# KiCad board modulo_sensor-panel.kicad_pcb (continued)
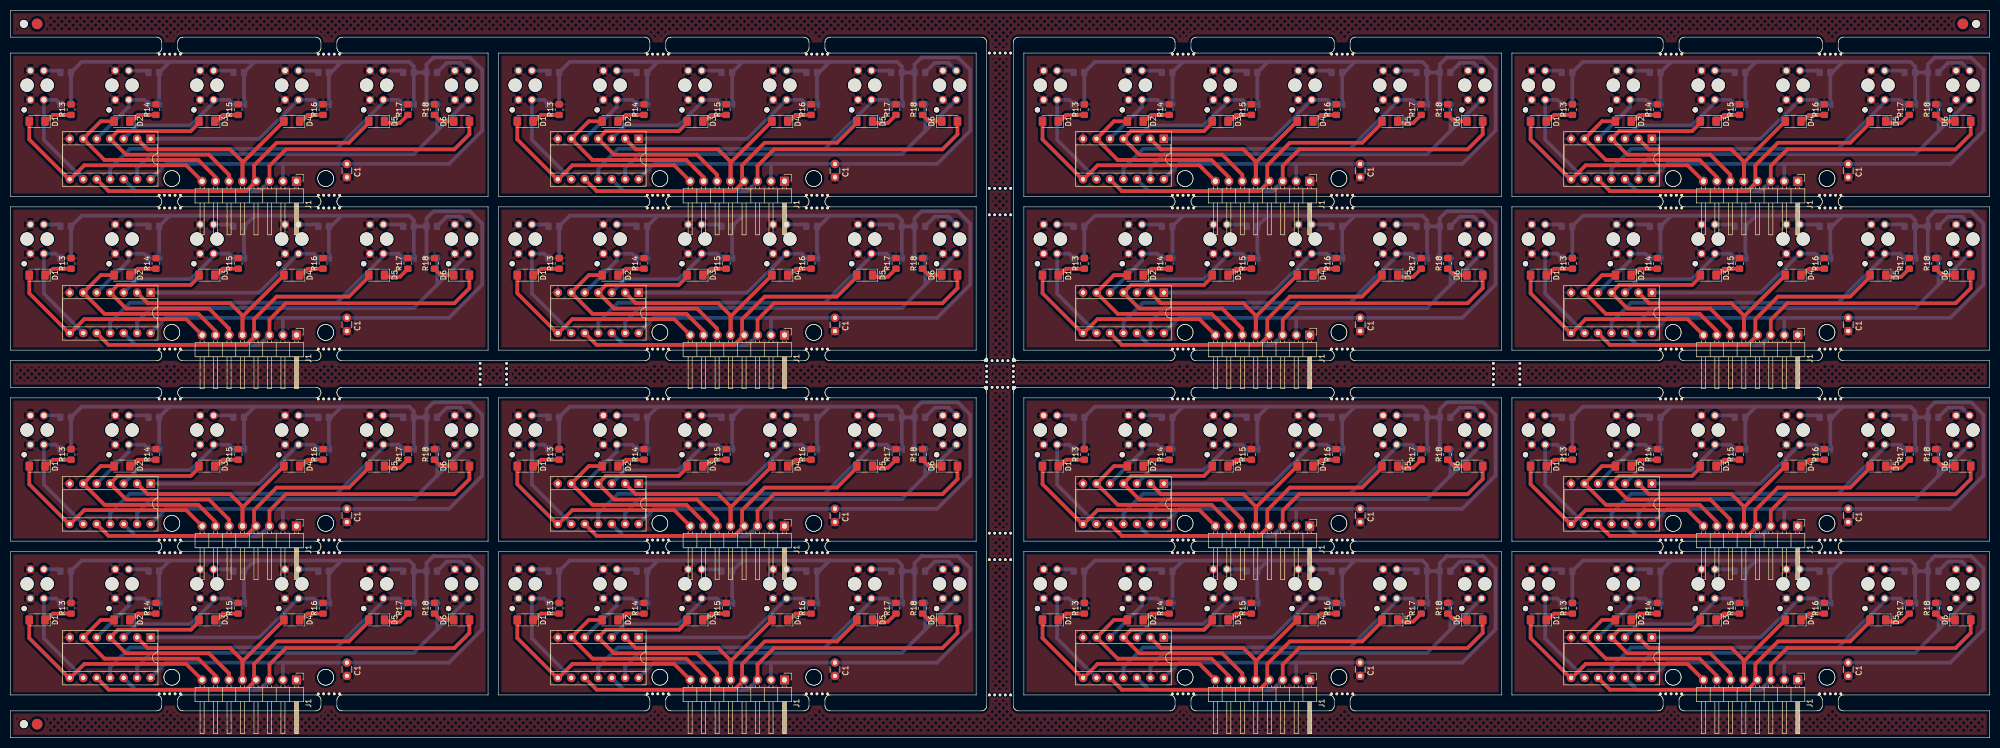
[diagram p0: board, top side]
## Placement (name value [footprint] x y rotation side) (continued)
Sensor1#6  TCRT5000  [OPTO_TCRT5000]  5 122.94 90 bottom
Sensor1#7  TCRT5000  [OPTO_TCRT5000]  5 93.94 90 bottom
Sensor1#8  TCRT5000  [OPTO_TCRT5000]  97 93.94 90 bottom
Sensor1#9  TCRT5000  [OPTO_TCRT5000]  196 122.94 90 bottom
Sensor1#10  TCRT5000  [OPTO_TCRT5000]  288 57.94 90 bottom
Sensor1#11  TCRT5000  [OPTO_TCRT5000]  288 122.94 90 bottom
Sensor1#12  TCRT5000  [OPTO_TCRT5000]  97 122.94 90 bottom
Sensor1#13  TCRT5000  [OPTO_TCRT5000]  288 28.94 90 bottom
Sensor1#14  TCRT5000  [OPTO_TCRT5000]  97 28.94 90 bottom
Sensor1#15  TCRT5000  [OPTO_TCRT5000]  5 57.94 90 bottom
Sensor1#16  TCRT5000  [OPTO_TCRT5000]  196 93.94 90 bottom
Sensor2  TCRT5000  [OPTO_TCRT5000]  113 57.94 90 bottom
Sensor2#2  TCRT5000  [OPTO_TCRT5000]  304 93.94 90 bottom
Sensor2#3  TCRT5000  [OPTO_TCRT5000]  212 28.94 90 bottom
Sensor2#4  TCRT5000  [OPTO_TCRT5000]  21 28.94 90 bottom
Sensor2#5  TCRT5000  [OPTO_TCRT5000]  113 28.94 90 bottom
Sensor2#6  TCRT5000  [OPTO_TCRT5000]  113 122.94 90 bottom
Sensor2#7  TCRT5000  [OPTO_TCRT5000]  304 28.94 90 bottom
Sensor2#8  TCRT5000  [OPTO_TCRT5000]  212 57.94 90 bottom
Sensor2#9  TCRT5000  [OPTO_TCRT5000]  21 57.94 90 bottom
Sensor2#10  TCRT5000  [OPTO_TCRT5000]  304 57.94 90 bottom
Sensor2#11  TCRT5000  [OPTO_TCRT5000]  212 122.94 90 bottom
Sensor2#12  TCRT5000  [OPTO_TCRT5000]  212 93.94 90 bottom
Sensor2#13  TCRT5000  [OPTO_TCRT5000]  304 122.94 90 bottom
Sensor2#14  TCRT5000  [OPTO_TCRT5000]  21 122.94 90 bottom
Sensor2#15  TCRT5000  [OPTO_TCRT5000]  21 93.94 90 bottom
Sensor2#16  TCRT5000  [OPTO_TCRT5000]  113 93.94 90 bottom
Sensor3  TCRT5000  [OPTO_TCRT5000]  228 57.94 90 bottom
Sensor3#2  TCRT5000  [OPTO_TCRT5000]  129 57.94 90 bottom
Sensor3#3  TCRT5000  [OPTO_TCRT5000]  320 57.94 90 bottom
Sensor3#4  TCRT5000  [OPTO_TCRT5000]  129 28.94 90 bottom
Sensor3#5  TCRT5000  [OPTO_TCRT5000]  129 93.94 90 bottom
Sensor3#6  TCRT5000  [OPTO_TCRT5000]  228 28.94 90 bottom
Sensor3#7  TCRT5000  [OPTO_TCRT5000]  320 93.94 90 bottom
Sensor3#8  TCRT5000  [OPTO_TCRT5000]  320 28.94 90 bottom
Sensor3#9  TCRT5000  [OPTO_TCRT5000]  37 57.94 90 bottom
Sensor3#10  TCRT5000  [OPTO_TCRT5000]  228 93.94 90 bottom
Sensor3#11  TCRT5000  [OPTO_TCRT5000]  320 122.94 90 bottom
Sensor3#12  TCRT5000  [OPTO_TCRT5000]  37 93.94 90 bottom
Sensor3#13  TCRT5000  [OPTO_TCRT5000]  228 122.94 90 bottom
Sensor3#14  TCRT5000  [OPTO_TCRT5000]  129 122.94 90 bottom
Sensor3#15  TCRT5000  [OPTO_TCRT5000]  37 28.94 90 bottom
Sensor3#16  TCRT5000  [OPTO_TCRT5000]  37 122.94 90 bottom
Sensor4  TCRT5000  [OPTO_TCRT5000]  336 28.94 90 bottom
Sensor4#2  TCRT5000  [OPTO_TCRT5000]  145 122.94 90 bottom
Sensor4#3  TCRT5000  [OPTO_TCRT5000]  53 122.94 90 bottom
Sensor4#4  TCRT5000  [OPTO_TCRT5000]  53 93.94 90 bottom
Sensor4#5  TCRT5000  [OPTO_TCRT5000]  244 28.94 90 bottom
Sensor4#6  TCRT5000  [OPTO_TCRT5000]  244 57.94 90 bottom
Sensor4#7  TCRT5000  [OPTO_TCRT5000]  336 93.94 90 bottom
Sensor4#8  TCRT5000  [OPTO_TCRT5000]  244 122.94 90 bottom
Sensor4#9  TCRT5000  [OPTO_TCRT5000]  336 57.94 90 bottom
Sensor4#10  TCRT5000  [OPTO_TCRT5000]  53 57.94 90 bottom
Sensor4#11  TCRT5000  [OPTO_TCRT5000]  145 28.94 90 bottom
Sensor4#12  TCRT5000  [OPTO_TCRT5000]  145 57.94 90 bottom
Sensor4#13  TCRT5000  [OPTO_TCRT5000]  53 28.94 90 bottom
Sensor4#14  TCRT5000  [OPTO_TCRT5000]  336 122.94 90 bottom
Sensor4#15  TCRT5000  [OPTO_TCRT5000]  145 93.94 90 bottom
Sensor4#16  TCRT5000  [OPTO_TCRT5000]  244 93.94 90 bottom
Sensor5  TCRT5000  [OPTO_TCRT5000]  161 57.94 90 bottom
Sensor5#2  TCRT5000  [OPTO_TCRT5000]  161 122.94 90 bottom
Sensor5#3  TCRT5000  [OPTO_TCRT5000]  352 93.94 90 bottom
Sensor5#4  TCRT5000  [OPTO_TCRT5000]  260 28.94 90 bottom
Sensor5#5  TCRT5000  [OPTO_TCRT5000]  260 57.94 90 bottom
Sensor5#6  TCRT5000  [OPTO_TCRT5000]  161 93.94 90 bottom
Sensor5#7  TCRT5000  [OPTO_TCRT5000]  69 93.94 90 bottom
Sensor5#8  TCRT5000  [OPTO_TCRT5000]  69 28.94 90 bottom
Sensor5#9  TCRT5000  [OPTO_TCRT5000]  161 28.94 90 bottom
Sensor5#10  TCRT5000  [OPTO_TCRT5000]  352 122.94 90 bottom
Sensor5#11  TCRT5000  [OPTO_TCRT5000]  69 122.94 90 bottom
Sensor5#12  TCRT5000  [OPTO_TCRT5000]  69 57.94 90 bottom
Sensor5#13  TCRT5000  [OPTO_TCRT5000]  260 93.94 90 bottom
Sensor5#14  TCRT5000  [OPTO_TCRT5000]  352 57.94 90 bottom
Sensor5#15  TCRT5000  [OPTO_TCRT5000]  352 28.94 90 bottom
Sensor5#16  TCRT5000  [OPTO_TCRT5000]  260 122.94 90 bottom
Sensor6  TCRT5000  [OPTO_TCRT5000]  177 57.94 90 bottom
Sensor6#2  TCRT5000  [OPTO_TCRT5000]  177 28.94 90 bottom
Sensor6#3  TCRT5000  [OPTO_TCRT5000]  276 57.94 90 bottom
Sensor6#4  TCRT5000  [OPTO_TCRT5000]  85 28.94 90 bottom
Sensor6#5  TCRT5000  [OPTO_TCRT5000]  177 93.94 90 bottom
Sensor6#6  TCRT5000  [OPTO_TCRT5000]  177 122.94 90 bottom
Sensor6#7  TCRT5000  [OPTO_TCRT5000]  368 57.94 90 bottom
Sensor6#8  TCRT5000  [OPTO_TCRT5000]  85 57.94 90 bottom
Sensor6#9  TCRT5000  [OPTO_TCRT5000]  368 28.94 90 bottom
Sensor6#10  TCRT5000  [OPTO_TCRT5000]  276 93.94 90 bottom
Sensor6#11  TCRT5000  [OPTO_TCRT5000]  368 93.94 90 bottom
Sensor6#12  TCRT5000  [OPTO_TCRT5000]  368 122.94 90 bottom
Sensor6#13  TCRT5000  [OPTO_TCRT5000]  85 122.94 90 bottom
Sensor6#14  TCRT5000  [OPTO_TCRT5000]  276 28.94 90 bottom
Sensor6#15  TCRT5000  [OPTO_TCRT5000]  85 93.94 90 bottom
Sensor6#16  TCRT5000  [OPTO_TCRT5000]  276 122.94 90 bottom
U1  74HC14DR2G  [DIP-14_W7.62mm_Socket]  217.39 83.84 270 top
U1#2  74HC14DR2G  [DIP-14_W7.62mm_Socket]  118.39 47.84 270 top
U1#3  74HC14DR2G  [DIP-14_W7.62mm_Socket]  309.39 18.84 270 top
U1#4  74HC14DR2G  [DIP-14_W7.62mm_Socket]  118.39 18.84 270 top
U1#5  74HC14DR2G  [DIP-14_W7.62mm_Socket]  118.39 83.84 270 top
U1#6  74HC14DR2G  [DIP-14_W7.62mm_Socket]  309.39 112.84 270 top
U1#7  74HC14DR2G  [DIP-14_W7.62mm_Socket]  217.39 18.84 270 top
U1#8  74HC14DR2G  [DIP-14_W7.62mm_Socket]  26.39 47.84 270 top
U1#9  74HC14DR2G  [DIP-14_W7.62mm_Socket]  217.39 47.84 270 top
U1#10  74HC14DR2G  [DIP-14_W7.62mm_Socket]  26.39 112.84 270 top
U1#11  74HC14DR2G  [DIP-14_W7.62mm_Socket]  217.39 112.84 270 top
U1#12  74HC14DR2G  [DIP-14_W7.62mm_Socket]  309.39 83.84 270 top
U1#13  74HC14DR2G  [DIP-14_W7.62mm_Socket]  26.39 18.84 270 top
U1#14  74HC14DR2G  [DIP-14_W7.62mm_Socket]  26.39 83.84 270 top
U1#15  74HC14DR2G  [DIP-14_W7.62mm_Socket]  309.39 47.84 270 top
U1#16  74HC14DR2G  [DIP-14_W7.62mm_Socket]  118.39 112.84 270 top

## Library data of the parts
C1 C1#2-C1#16 = -: Description: Unpolarized capacitor; desc: Unpolarized capacitor; part: C
D1 D1#2-D1#16 D2 D2#2-D2#16 D3 D3#2-D3#16 D4 D4#2-D4#16 D5 D5#2-D5#16 D6 D6#2-D6#16 = -: Description: Light emitting diode; desc: Light emitting diode
J1 J1#2-J1#16 = -: Description: Generic connector, single row, 01x08, script generated; desc: Generic connector, single row, 01x08, script generated
R1 R1#2-R1#16 R2 R2#2-R2#16 R3 R3#2-R3#16 R4 R4#2-R4#16 R5 R5#2-R5#16 R6 R6#2-R6#16 R7 R7#2-R7#16 R8 R8#2-R8#16 R9 R9#2-R9#16 R10 R10#2-R10#16 R11 R11#2-R11#16 R12 R12#2-R12#16 R13 R13#2-R13#16 R14 R14#2-R14#16 R15 R15#2-R15#16 R16 R16#2-R16#16 R17 R17#2-R17#16 R18 R18#2-R18#16 = -: Description: Resistor; desc: Resistor; part: R
Sensor1 Sensor1#2-Sensor1#16 Sensor2 Sensor2#2-Sensor2#16 Sensor3 Sensor3#2-Sensor3#16 Sensor4 Sensor4#2-Sensor4#16 Sensor5 Sensor5#2-Sensor5#16 Sensor6 Sensor6#2-Sensor6#16 = -: MF: Vishay; MAXIMUM_PACKAGE_HEIGHT: 7.2mm; Package: TCRT5000 Vishay; Price: None; Check_prices: https://www.snapeda.com/parts/TCRT5000/Vishay+Semiconductor+Opto+Division/view-part/?ref=eda; STANDARD: Manufacturer recommendations; PARTREV: 1.7; SnapEDA_Link: https://www.snapeda.com/parts/TCRT5000/Vishay+Semiconductor+Opto+Division/view-part/?ref=snap; Purchase-URL: https://www.snapeda.com/api/url_track_click_mouser/?unipart_id=885229&manufacturer=Vishay&part_name=TCRT5000&search_term=tcrt5000; Description_1: Sensor óptico reflectante de 0,591 (15 mm) para montaje en PCB; Availability: In Stock; MANUFACTURER: Vishay; manf: Vishay
U1 U1#2-U1#16 = -: MF: ON Semiconductor; Description_1: Inverter IC 6 Channel Schmitt Trigger 14-SOIC; PACKAGE: SOIC-14; Price: None; Package: SOIC-14 ON Semiconductor; OC_FARNELL: 1201316; SnapEDA_Link: https://www.snapeda.com/parts/74HC14DR2G/Onsemi/view-part/?ref=snap; SUPPLIER: NXP; OC_NEWARK: 26M7759; Availability: In Stock; Check_prices: https://www.snapeda.com/parts/74HC14DR2G/Onsemi/view-part/?ref=eda

## Footprints (pads in the part's own frame, mm; a bottom-side part is the same pattern mirrored in y, then rotated)
C_Disc_D3.0mm_W1.6mm_P2.50mm
  round 1.6 hole 0.8: 1(0,0) 2(2.5,0)
DIP-14_W7.62mm_Socket
  rect 1.6x1.6 hole 0.8: 1(0,0)
  oval 1.6x1.6 hole 0.8: 2(0,-2.54) 3(0,-5.08) 4(0,-7.62) 5(0,-10.16) 6(0,-12.7) 7(0,-15.24) 8(7.62,-15.24) 9(7.62,-12.7) 10(7.62,-10.16) 11(7.62,-7.62) 12(7.62,-5.08) 13(7.62,-2.54) 14(7.62,0)
Fiducial
  round 2 smd: (0,0)
LED_1206_3216Metric_Pad1.42x1.75mm_HandSolder
  rrect 1.425x1.75 smd: 1(-1.488,0) 2(1.488,0)
NPTH
  round 0.5 hole 0.5 unplated: (0,0)
NPTH#2
  round 1.5 hole 1.5 unplated: (0,0)
OPTO_TCRT5000
  round 1 hole 1 unplated: (-4.65,-2.45)
  round 2.5 hole 2.5 unplated: (0,-1.9) (0,1.9)
  round 1.5 hole 1: A(2.75,1.27) CATH(2.75,-1.27) COLL(-2.75,1.27) E(-2.75,-1.27)
PinHeader_1x08_P2.54mm_Horizontal
  rect 1.7x1.7 hole 1: 1(0,0)
  oval 1.7x1.7 hole 1: 2(0,-2.54) 3(0,-5.08) 4(0,-7.62) 5(0,-10.16) 6(0,-12.7) 7(0,-15.24) 8(0,-17.78)
R_0805_2012Metric_Pad1.20x1.40mm_HandSolder
  rrect 1.2x1.4 smd: 1(-1,0) 2(1,0)

## Nets
Board_0-/Led_Sensor1: D1#2.2 J1#12.8 U1#10.8
Board_0-/Led_Sensor2: D2#12.2 J1#12.7 U1#10.6
Board_0-/Led_Sensor3: D3#3.2 J1#12.6 U1#10.4
Board_0-/Led_Sensor4: D4#5.2 J1#12.5 U1#10.2
Board_0-/Led_Sensor5: D5#9.2 J1#12.4 U1#10.10
Board_0-/Led_Sensor6: D6#3.2 J1#12.3 U1#10.12
Board_0-/Sensor1: R2#16.1 Sensor1#6.COLL U1#10.9
Board_0-/Sensor2: R4#3.1 Sensor2#14.COLL U1#10.5
Board_0-/Sensor3: R6#12.1 Sensor3#16.COLL U1#10.3
Board_0-/Sensor4: R8#8.1 Sensor4#3.COLL U1#10.1
Board_0-/Sensor5: R10#12.1 Sensor5#11.COLL U1#10.11
Board_0-/Sensor6: R12#2.1 Sensor6#13.COLL U1#10.13
Board_0-GND: C1#4.2 J1#12.1 R13#16.2 R14#15.2 R15#8.2 R16#13.2 R17#14.2 R18#14.2 Sensor1#6.CATH Sensor1#6.E Sensor2#14.CATH Sensor2#14.E Sensor3#16.CATH Sensor3#16.E Sensor4#3.CATH Sensor4#3.E Sensor5#11.CATH Sensor5#11.E Sensor6#13.CATH Sensor6#13.E U1#10.7
Board_0-Net-(D1-K): D1#2.1 R13#16.1
Board_0-Net-(D2-K): D2#12.1 R14#15.1
Board_0-Net-(D3-K): D3#3.1 R15#8.1
Board_0-Net-(D4-K): D4#5.1 R16#13.1
Board_0-Net-(D5-K): D5#9.1 R17#14.1
Board_0-Net-(D6-K): D6#3.1 R18#14.1
Board_0-Net-(R1-Pad1): R1#11.1 Sensor1#6.A
Board_0-Net-(R3-Pad1): R3.1 Sensor2#14.A
Board_0-Net-(R5-Pad1): R5#9.1 Sensor3#16.A
Board_0-Net-(R7-Pad1): R7.1 Sensor4#3.A
Board_0-Net-(R9-Pad1): R9#11.1 Sensor5#11.A
Board_0-Net-(R11-Pad1): R11#7.1 Sensor6#13.A
Board_0-vcc: C1#4.1 J1#12.2 R1#11.2 R2#16.2 R3.2 R4#3.2 R5#9.2 R6#12.2 R7.2 R8#8.2 R9#11.2 R10#12.2 R11#7.2 R12#2.2 U1#10.14
Board_1-/Led_Sensor1: D1#9.2 J1#6.8 U1#16.8
Board_1-/Led_Sensor2: D2#15.2 J1#6.7 U1#16.6
Board_1-/Led_Sensor3: D3#16.2 J1#6.6 U1#16.4
Board_1-/Led_Sensor4: D4#6.2 J1#6.5 U1#16.2
Board_1-/Led_Sensor5: D5#8.2 J1#6.4 U1#16.10
Board_1-/Led_Sensor6: D6#6.2 J1#6.3 U1#16.12
Board_1-/Sensor1: R2#3.1 Sensor1#12.COLL U1#16.9
Board_1-/Sensor2: R4#9.1 Sensor2#6.COLL U1#16.5
Board_1-/Sensor3: R6#9.1 Sensor3#14.COLL U1#16.3
Board_1-/Sensor4: R8#4.1 Sensor4#2.COLL U1#16.1
Board_1-/Sensor5: R10#8.1 Sensor5#2.COLL U1#16.11
Board_1-/Sensor6: R12#7.1 Sensor6#6.COLL U1#16.13
Board_1-GND: C1#2.2 J1#6.1 R13#9.2 R14#11.2 R15#13.2 R16#9.2 R17#8.2 R18#2.2 Sensor1#12.CATH Sensor1#12.E Sensor2#6.CATH Sensor2#6.E Sensor3#14.CATH Sensor3#14.E Sensor4#2.CATH Sensor4#2.E Sensor5#2.CATH Sensor5#2.E Sensor6#6.CATH Sensor6#6.E U1#16.7
Board_1-Net-(D1-K): D1#9.1 R13#9.1
Board_1-Net-(D2-K): D2#15.1 R14#11.1
Board_1-Net-(D3-K): D3#16.1 R15#13.1
Board_1-Net-(D4-K): D4#6.1 R16#9.1
Board_1-Net-(D5-K): D5#8.1 R17#8.1
Board_1-Net-(D6-K): D6#6.1 R18#2.1
Board_1-Net-(R1-Pad1): R1#5.1 Sensor1#12.A
Board_1-Net-(R3-Pad1): R3#12.1 Sensor2#6.A
Board_1-Net-(R5-Pad1): R5#13.1 Sensor3#14.A
Board_1-Net-(R7-Pad1): R7#11.1 Sensor4#2.A
Board_1-Net-(R9-Pad1): R9#10.1 Sensor5#2.A
Board_1-Net-(R11-Pad1): R11#12.1 Sensor6#6.A
Board_1-vcc: C1#2.1 J1#6.2 R1#5.2 R2#3.2 R3#12.2 R4#9.2 R5#13.2 R6#9.2 R7#11.2 R8#4.2 R9#10.2 R10#8.2 R11#12.2 R12#7.2 U1#16.14
Board_2-/Led_Sensor1: D1#8.2 J1#15.8 U1#11.8
Board_2-/Led_Sensor2: D2#5.2 J1#15.7 U1#11.6
Board_2-/Led_Sensor3: D3#13.2 J1#15.6 U1#11.4
Board_2-/Led_Sensor4: D4#15.2 J1#15.5 U1#11.2
Board_2-/Led_Sensor5: D5#3.2 J1#15.4 U1#11.10
Board_2-/Led_Sensor6: D6#12.2 J1#15.3 U1#11.12
Board_2-/Sensor1: R2.1 Sensor1#9.COLL U1#11.9
Board_2-/Sensor2: R4#10.1 Sensor2#11.COLL U1#11.5
Board_2-/Sensor3: R6#10.1 Sensor3#13.COLL U1#11.3
Board_2-/Sensor4: R8#16.1 Sensor4#8.COLL U1#11.1
Board_2-/Sensor5: R10#7.1 Sensor5#16.COLL U1#11.11
Board_2-/Sensor6: R12#10.1 Sensor6#16.COLL U1#11.13
Board_2-GND: C1#8.2 J1#15.1 R13#3.2 R14#5.2 R15.2 R16.2 R17#3.2 R18#6.2 Sensor1#9.CATH Sensor1#9.E Sensor2#11.CATH Sensor2#11.E Sensor3#13.CATH Sensor3#13.E Sensor4#8.CATH Sensor4#8.E Sensor5#16.CATH Sensor5#16.E Sensor6#16.CATH Sensor6#16.E U1#11.7
Board_2-Net-(D1-K): D1#8.1 R13#3.1
Board_2-Net-(D2-K): D2#5.1 R14#5.1
Board_2-Net-(D3-K): D3#13.1 R15.1
Board_2-Net-(D4-K): D4#15.1 R16.1
Board_2-Net-(D5-K): D5#3.1 R17#3.1
Board_2-Net-(D6-K): D6#12.1 R18#6.1
Board_2-Net-(R1-Pad1): R1#2.1 Sensor1#9.A
Board_2-Net-(R3-Pad1): R3#4.1 Sensor2#11.A
Board_2-Net-(R5-Pad1): R5#11.1 Sensor3#13.A
Board_2-Net-(R7-Pad1): R7#12.1 Sensor4#8.A
Board_2-Net-(R9-Pad1): R9#8.1 Sensor5#16.A
Board_2-Net-(R11-Pad1): R11#10.1 Sensor6#16.A
Board_2-vcc: C1#8.1 J1#15.2 R1#2.2 R2.2 R3#4.2 R4#10.2 R5#11.2 R6#10.2 R7#12.2 R8#16.2 R9#8.2 R10#7.2 R11#10.2 R12#10.2 U1#11.14
Board_3-/Led_Sensor1: D1#16.2 J1#14.8 U1#6.8
Board_3-/Led_Sensor2: D2#11.2 J1#14.7 U1#6.6
Board_3-/Led_Sensor3: D3#6.2 J1#14.6 U1#6.4
Board_3-/Led_Sensor4: D4.2 J1#14.5 U1#6.2
Board_3-/Led_Sensor5: D5#7.2 J1#14.4 U1#6.10
Board_3-/Led_Sensor6: D6#8.2 J1#14.3 U1#6.12
Board_3-/Sensor1: R2#14.1 Sensor1#11.COLL U1#6.9
Board_3-/Sensor2: R4.1 Sensor2#13.COLL U1#6.5
Board_3-/Sensor3: R6.1 Sensor3#11.COLL U1#6.3
Board_3-/Sensor4: R8#10.1 Sensor4#14.COLL U1#6.1
Board_3-/Sensor5: R10#14.1 Sensor5#10.COLL U1#6.11
Board_3-/Sensor6: R12#16.1 Sensor6#12.COLL U1#6.13
Board_3-GND: C1#12.2 J1#14.1 R13#2.2 R14#2.2 R15#14.2 R16#3.2 R17#13.2 R18#12.2 Sensor1#11.CATH Sensor1#11.E Sensor2#13.CATH Sensor2#13.E Sensor3#11.CATH Sensor3#11.E Sensor4#14.CATH Sensor4#14.E Sensor5#10.CATH Sensor5#10.E Sensor6#12.CATH Sensor6#12.E U1#6.7
Board_3-Net-(D1-K): D1#16.1 R13#2.1
Board_3-Net-(D2-K): D2#11.1 R14#2.1
Board_3-Net-(D3-K): D3#6.1 R15#14.1
Board_3-Net-(D4-K): D4.1 R16#3.1
Board_3-Net-(D5-K): D5#7.1 R17#13.1
Board_3-Net-(D6-K): D6#8.1 R18#12.1
Board_3-Net-(R1-Pad1): R1#7.1 Sensor1#11.A
Board_3-Net-(R3-Pad1): R3#16.1 Sensor2#13.A
Board_3-Net-(R5-Pad1): R5#10.1 Sensor3#11.A
Board_3-Net-(R7-Pad1): R7#8.1 Sensor4#14.A
Board_3-Net-(R9-Pad1): R9#13.1 Sensor5#10.A
Board_3-Net-(R11-Pad1): R11#11.1 Sensor6#12.A
Board_3-vcc: C1#12.1 J1#14.2 R1#7.2 R2#14.2 R3#16.2 R4.2 R5#10.2 R6.2 R7#8.2 R8#10.2 R9#13.2 R10#14.2 R11#11.2 R12#16.2 U1#6.14
Board_4-/Led_Sensor1: D1#14.2 J1#2.8 U1#14.8
Board_4-/Led_Sensor2: D2#10.2 J1#2.7 U1#14.6
Board_4-/Led_Sensor3: D3#5.2 J1#2.6 U1#14.4
Board_4-/Led_Sensor4: D4#14.2 J1#2.5 U1#14.2
Board_4-/Led_Sensor5: D5#12.2 J1#2.4 U1#14.10
Board_4-/Led_Sensor6: D6#5.2 J1#2.3 U1#14.12
Board_4-/Sensor1: R2#15.1 Sensor1#7.COLL U1#14.9
Board_4-/Sensor2: R4#8.1 Sensor2#15.COLL U1#14.5
Board_4-/Sensor3: R6#5.1 Sensor3#12.COLL U1#14.3
Board_4-/Sensor4: R8#13.1 Sensor4#4.COLL U1#14.1
Board_4-/Sensor5: R10#6.1 Sensor5#7.COLL U1#14.11
Board_4-/Sensor6: R12#14.1 Sensor6#15.COLL U1#14.13
Board_4-GND: C1#13.2 J1#2.1 R13#8.2 R14#13.2 R15#10.2 R16#6.2 R17#5.2 R18#13.2 Sensor1#7.CATH Sensor1#7.E Sensor2#15.CATH Sensor2#15.E Sensor3#12.CATH Sensor3#12.E Sensor4#4.CATH Sensor4#4.E Sensor5#7.CATH Sensor5#7.E Sensor6#15.CATH Sensor6#15.E U1#14.7
Board_4-Net-(D1-K): D1#14.1 R13#8.1
Board_4-Net-(D2-K): D2#10.1 R14#13.1
Board_4-Net-(D3-K): D3#5.1 R15#10.1
Board_4-Net-(D4-K): D4#14.1 R16#6.1
Board_4-Net-(D5-K): D5#12.1 R17#5.1
Board_4-Net-(D6-K): D6#5.1 R18#13.1
Board_4-Net-(R1-Pad1): R1#9.1 Sensor1#7.A
Board_4-Net-(R3-Pad1): R3#7.1 Sensor2#15.A
Board_4-Net-(R5-Pad1): R5#2.1 Sensor3#12.A
Board_4-Net-(R7-Pad1): R7#3.1 Sensor4#4.A
Board_4-Net-(R9-Pad1): R9#12.1 Sensor5#7.A
Board_4-Net-(R11-Pad1): R11#8.1 Sensor6#15.A
Board_4-vcc: C1#13.1 J1#2.2 R1#9.2 R2#15.2 R3#7.2 R4#8.2 R5#2.2 R6#5.2 R7#3.2 R8#13.2 R9#12.2 R10#6.2 R11#8.2 R12#14.2 U1#14.14
Board_5-/Led_Sensor1: D1#3.2 J1#10.8 U1#5.8
Board_5-/Led_Sensor2: D2#3.2 J1#10.7 U1#5.6
Board_5-/Led_Sensor3: D3#11.2 J1#10.6 U1#5.4
Board_5-/Led_Sensor4: D4#7.2 J1#10.5 U1#5.2
Board_5-/Led_Sensor5: D5#15.2 J1#10.4 U1#5.10
Board_5-/Led_Sensor6: D6.2 J1#10.3 U1#5.12
Board_5-/Sensor1: R2#9.1 Sensor1#8.COLL U1#5.9
Board_5-/Sensor2: R4#7.1 Sensor2#16.COLL U1#5.5
Board_5-/Sensor3: R6#2.1 Sensor3#5.COLL U1#5.3
Board_5-/Sensor4: R8#14.1 Sensor4#15.COLL U1#5.1
Board_5-/Sensor5: R10#11.1 Sensor5#6.COLL U1#5.11
Board_5-/Sensor6: R12#9.1 Sensor6#5.COLL U1#5.13
Board_5-GND: C1#11.2 J1#10.1 R13#5.2 R14#12.2 R15#7.2 R16#5.2 R17#2.2 R18#3.2 Sensor1#8.CATH Sensor1#8.E Sensor2#16.CATH Sensor2#16.E Sensor3#5.CATH Sensor3#5.E Sensor4#15.CATH Sensor4#15.E Sensor5#6.CATH Sensor5#6.E Sensor6#5.CATH Sensor6#5.E U1#5.7
Board_5-Net-(D1-K): D1#3.1 R13#5.1
Board_5-Net-(D2-K): D2#3.1 R14#12.1
Board_5-Net-(D3-K): D3#11.1 R15#7.1
Board_5-Net-(D4-K): D4#7.1 R16#5.1
Board_5-Net-(D5-K): D5#15.1 R17#2.1
Board_5-Net-(D6-K): D6.1 R18#3.1
Board_5-Net-(R1-Pad1): R1#14.1 Sensor1#8.A
Board_5-Net-(R3-Pad1): R3#5.1 Sensor2#16.A
Board_5-Net-(R5-Pad1): R5#7.1 Sensor3#5.A
Board_5-Net-(R7-Pad1): R7#2.1 Sensor4#15.A
Board_5-Net-(R9-Pad1): R9#9.1 Sensor5#6.A
Board_5-Net-(R11-Pad1): R11#9.1 Sensor6#5.A
Board_5-vcc: C1#11.1 J1#10.2 R1#14.2 R2#9.2 R3#5.2 R4#7.2 R5#7.2 R6#2.2 R7#2.2 R8#14.2 R9#9.2 R10#11.2 R11#9.2 R12#9.2 U1#5.14
Board_6-/Led_Sensor1: D1#10.2 J1#5.8 U1.8
Board_6-/Led_Sensor2: D2#2.2 J1#5.7 U1.6
Board_6-/Led_Sensor3: D3#7.2 J1#5.6 U1.4
Board_6-/Led_Sensor4: D4#3.2 J1#5.5 U1.2
Board_6-/Led_Sensor5: D5#10.2 J1#5.4 U1.10
Board_6-/Led_Sensor6: D6#2.2 J1#5.3 U1.12
Board_6-/Sensor1: R2#13.1 Sensor1#16.COLL U1.9
Board_6-/Sensor2: R4#14.1 Sensor2#12.COLL U1.5
Board_6-/Sensor3: R6#6.1 Sensor3#10.COLL U1.3
Board_6-/Sensor4: R8#6.1 Sensor4#16.COLL U1.1
Board_6-/Sensor5: R10#13.1 Sensor5#13.COLL U1.11
Board_6-/Sensor6: R12#6.1 Sensor6#10.COLL U1.13
Board_6-GND: C1#9.2 J1#5.1 R13#12.2 R14#4.2 R15#4.2 R16#12.2 R17#4.2 R18#4.2 Sensor1#16.CATH Sensor1#16.E Sensor2#12.CATH Sensor2#12.E Sensor3#10.CATH Sensor3#10.E Sensor4#16.CATH Sensor4#16.E Sensor5#13.CATH Sensor5#13.E Sensor6#10.CATH Sensor6#10.E U1.7
Board_6-Net-(D1-K): D1#10.1 R13#12.1
Board_6-Net-(D2-K): D2#2.1 R14#4.1
Board_6-Net-(D3-K): D3#7.1 R15#4.1
Board_6-Net-(D4-K): D4#3.1 R16#12.1
Board_6-Net-(D5-K): D5#10.1 R17#4.1
Board_6-Net-(D6-K): D6#2.1 R18#4.1
Board_6-Net-(R1-Pad1): R1#13.1 Sensor1#16.A
Board_6-Net-(R3-Pad1): R3#3.1 Sensor2#12.A
Board_6-Net-(R5-Pad1): R5#3.1 Sensor3#10.A
Board_6-Net-(R7-Pad1): R7#7.1 Sensor4#16.A
Board_6-Net-(R9-Pad1): R9#15.1 Sensor5#13.A
Board_6-Net-(R11-Pad1): R11#5.1 Sensor6#10.A
Board_6-vcc: C1#9.1 J1#5.2 R1#13.2 R2#13.2 R3#3.2 R4#14.2 R5#3.2 R6#6.2 R7#7.2 R8#6.2 R9#15.2 R10#13.2 R11#5.2 R12#6.2 U1.14
Board_7-/Led_Sensor1: D1.2 J1#9.8 U1#12.8
Board_7-/Led_Sensor2: D2#6.2 J1#9.7 U1#12.6
Board_7-/Led_Sensor3: D3#14.2 J1#9.6 U1#12.4
Board_7-/Led_Sensor4: D4#10.2 J1#9.5 U1#12.2
Board_7-/Led_Sensor5: D5#5.2 J1#9.4 U1#12.10
Board_7-/Led_Sensor6: D6#4.2 J1#9.3 U1#12.12
Board_7-/Sensor1: R2#10.1 Sensor1#5.COLL U1#12.9
Board_7-/Sensor2: R4#15.1 Sensor2#2.COLL U1#12.5
Board_7-/Sensor3: R6#3.1 Sensor3#7.COLL U1#12.3
Board_7-/Sensor4: R8#11.1 Sensor4#7.COLL U1#12.1
Board_7-/Sensor5: R10#9.1 Sensor5#3.COLL U1#12.11
Board_7-/Sensor6: R12#3.1 Sensor6#11.COLL U1#12.13
Board_7-GND: C1.2 J1#9.1 R13#15.2 R14#10.2 R15#16.2 R16#11.2 R17#12.2 R18#9.2 Sensor1#5.CATH Sensor1#5.E Sensor2#2.CATH Sensor2#2.E Sensor3#7.CATH Sensor3#7.E Sensor4#7.CATH Sensor4#7.E Sensor5#3.CATH Sensor5#3.E Sensor6#11.CATH Sensor6#11.E U1#12.7
Board_7-Net-(D1-K): D1.1 R13#15.1
Board_7-Net-(D2-K): D2#6.1 R14#10.1
Board_7-Net-(D3-K): D3#14.1 R15#16.1
Board_7-Net-(D4-K): D4#10.1 R16#11.1
Board_7-Net-(D5-K): D5#5.1 R17#12.1
Board_7-Net-(D6-K): D6#4.1 R18#9.1
Board_7-Net-(R1-Pad1): R1#8.1 Sensor1#5.A
Board_7-Net-(R3-Pad1): R3#10.1 Sensor2#2.A
Board_7-Net-(R5-Pad1): R5#6.1 Sensor3#7.A
Board_7-Net-(R7-Pad1): R7#4.1 Sensor4#7.A
Board_7-Net-(R9-Pad1): R9.1 Sensor5#3.A
Board_7-Net-(R11-Pad1): R11#16.1 Sensor6#11.A
Board_7-vcc: C1.1 J1#9.2 R1#8.2 R2#10.2 R3#10.2 R4#15.2 R5#6.2 R6#3.2 R7#4.2 R8#11.2 R9.2 R10#9.2 R11#16.2 R12#3.2 U1#12.14
Board_8-/Led_Sensor1: D1#7.2 J1#8.8 U1#8.8
Board_8-/Led_Sensor2: D2#8.2 J1#8.7 U1#8.6
Board_8-/Led_Sensor3: D3#4.2 J1#8.6 U1#8.4
Board_8-/Led_Sensor4: D4#2.2 J1#8.5 U1#8.2
Board_8-/Led_Sensor5: D5#14.2 J1#8.4 U1#8.10
Board_8-/Led_Sensor6: D6#11.2 J1#8.3 U1#8.12
Board_8-/Sensor1: R2#4.1 Sensor1#15.COLL U1#8.9
Board_8-/Sensor2: R4#4.1 Sensor2#9.COLL U1#8.5
Board_8-/Sensor3: R6#7.1 Sensor3#9.COLL U1#8.3
Board_8-/Sensor4: R8#15.1 Sensor4#10.COLL U1#8.1
Board_8-/Sensor5: R10#4.1 Sensor5#12.COLL U1#8.11
Board_8-/Sensor6: R12#12.1 Sensor6#8.COLL U1#8.13
Board_8-GND: C1#7.2 J1#8.1 R13#14.2 R14#8.2 R15#11.2 R16#16.2 R17#10.2 R18.2 Sensor1#15.CATH Sensor1#15.E Sensor2#9.CATH Sensor2#9.E Sensor3#9.CATH Sensor3#9.E Sensor4#10.CATH Sensor4#10.E Sensor5#12.CATH Sensor5#12.E Sensor6#8.CATH Sensor6#8.E U1#8.7
Board_8-Net-(D1-K): D1#7.1 R13#14.1
Board_8-Net-(D2-K): D2#8.1 R14#8.1
Board_8-Net-(D3-K): D3#4.1 R15#11.1
Board_8-Net-(D4-K): D4#2.1 R16#16.1
Board_8-Net-(D5-K): D5#14.1 R17#10.1
Board_8-Net-(D6-K): D6#11.1 R18.1
Board_8-Net-(R1-Pad1): R1#6.1 Sensor1#15.A
Board_8-Net-(R3-Pad1): R3#2.1 Sensor2#9.A
Board_8-Net-(R5-Pad1): R5#14.1 Sensor3#9.A
Board_8-Net-(R7-Pad1): R7#10.1 Sensor4#10.A
Board_8-Net-(R9-Pad1): R9#16.1 Sensor5#12.A
Board_8-Net-(R11-Pad1): R11.1 Sensor6#8.A
Board_8-vcc: C1#7.1 J1#8.2 R1#6.2 R2#4.2 R3#2.2 R4#4.2 R5#14.2 R6#7.2 R7#10.2 R8#15.2 R9#16.2 R10#4.2 R11.2 R12#12.2 U1#8.14
Board_9-/Led_Sensor1: D1#11.2 J1#3.8 U1#2.8
Board_9-/Led_Sensor2: D2#14.2 J1#3.7 U1#2.6
Board_9-/Led_Sensor3: D3#12.2 J1#3.6 U1#2.4
Board_9-/Led_Sensor4: D4#16.2 J1#3.5 U1#2.2
Board_9-/Led_Sensor5: D5.2 J1#3.4 U1#2.10
Board_9-/Led_Sensor6: D6#7.2 J1#3.3 U1#2.12
Board_9-/Sensor1: R2#8.1 Sensor1.COLL U1#2.9
Board_9-/Sensor2: R4#16.1 Sensor2.COLL U1#2.5
Board_9-/Sensor3: R6#14.1 Sensor3#2.COLL U1#2.3
Board_9-/Sensor4: R8#12.1 Sensor4#12.COLL U1#2.1
Board_9-/Sensor5: R10#15.1 Sensor5.COLL U1#2.11
Board_9-/Sensor6: R12.1 Sensor6.COLL U1#2.13
Board_9-GND: C1#10.2 J1#3.1 R13.2 R14.2 R15#9.2 R16#8.2 R17#16.2 R18#8.2 Sensor1.CATH Sensor1.E Sensor2.CATH Sensor2.E Sensor3#2.CATH Sensor3#2.E Sensor4#12.CATH Sensor4#12.E Sensor5.CATH Sensor5.E Sensor6.CATH Sensor6.E U1#2.7
Board_9-Net-(D1-K): D1#11.1 R13.1
Board_9-Net-(D2-K): D2#14.1 R14.1
Board_9-Net-(D3-K): D3#12.1 R15#9.1
Board_9-Net-(D4-K): D4#16.1 R16#8.1
Board_9-Net-(D5-K): D5.1 R17#16.1
Board_9-Net-(D6-K): D6#7.1 R18#8.1
Board_9-Net-(R1-Pad1): R1#3.1 Sensor1.A
Board_9-Net-(R3-Pad1): R3#9.1 Sensor2.A
Board_9-Net-(R5-Pad1): R5#15.1 Sensor3#2.A
Board_9-Net-(R7-Pad1): R7#15.1 Sensor4#12.A
Board_9-Net-(R9-Pad1): R9#5.1 Sensor5.A
Board_9-Net-(R11-Pad1): R11#4.1 Sensor6.A
Board_9-vcc: C1#10.1 J1#3.2 R1#3.2 R2#8.2 R3#9.2 R4#16.2 R5#15.2 R6#14.2 R7#15.2 R8#12.2 R9#5.2 R10#15.2 R11#4.2 R12.2 U1#2.14
Board_10-/Led_Sensor1: D1#6.2 J1.8 U1#9.8
Board_10-/Led_Sensor2: D2#7.2 J1.7 U1#9.6
Board_10-/Led_Sensor3: D3#15.2 J1.6 U1#9.4
Board_10-/Led_Sensor4: D4#13.2 J1.5 U1#9.2
Board_10-/Led_Sensor5: D5#11.2 J1.4 U1#9.10
Board_10-/Led_Sensor6: D6#15.2 J1.3 U1#9.12
Board_10-/Sensor1: R2#11.1 Sensor1#3.COLL U1#9.9
Board_10-/Sensor2: R4#2.1 Sensor2#8.COLL U1#9.5
Board_10-/Sensor3: R6#15.1 Sensor3.COLL U1#9.3
Board_10-/Sensor4: R8#9.1 Sensor4#6.COLL U1#9.1
Board_10-/Sensor5: R10#2.1 Sensor5#5.COLL U1#9.11
Board_10-/Sensor6: R12#15.1 Sensor6#3.COLL U1#9.13
Board_10-GND: C1#14.2 J1.1 R13#13.2 R14#16.2 R15#5.2 R16#7.2 R17#7.2 R18#15.2 Sensor1#3.CATH Sensor1#3.E Sensor2#8.CATH Sensor2#8.E Sensor3.CATH Sensor3.E Sensor4#6.CATH Sensor4#6.E Sensor5#5.CATH Sensor5#5.E Sensor6#3.CATH Sensor6#3.E U1#9.7
Board_10-Net-(D1-K): D1#6.1 R13#13.1
Board_10-Net-(D2-K): D2#7.1 R14#16.1
Board_10-Net-(D3-K): D3#15.1 R15#5.1
Board_10-Net-(D4-K): D4#13.1 R16#7.1
Board_10-Net-(D5-K): D5#11.1 R17#7.1
Board_10-Net-(D6-K): D6#15.1 R18#15.1
Board_10-Net-(R1-Pad1): R1#12.1 Sensor1#3.A
Board_10-Net-(R3-Pad1): R3#8.1 Sensor2#8.A
Board_10-Net-(R5-Pad1): R5#5.1 Sensor3.A
Board_10-Net-(R7-Pad1): R7#14.1 Sensor4#6.A
Board_10-Net-(R9-Pad1): R9#3.1 Sensor5#5.A
Board_10-Net-(R11-Pad1): R11#2.1 Sensor6#3.A
Board_10-vcc: C1#14.1 J1.2 R1#12.2 R2#11.2 R3#8.2 R4#2.2 R5#5.2 R6#15.2 R7#14.2 R8#9.2 R9#3.2 R10#2.2 R11#2.2 R12#15.2 U1#9.14
Board_11-/Led_Sensor1: D1#12.2 J1#13.8 U1#15.8
Board_11-/Led_Sensor2: D2#16.2 J1#13.7 U1#15.6